# Altium PCB VCU_LAYOUT.PcbDoc (part 3 of 3)
Units mm, origin at the board's own origin, x right, y up, seen from the top; angles counter-clockwise.
Board outline 100 x 100 mm, 2 copper layers (Top Layer, Bottom Layer); 174 components, 112 nets, 647 pads, 397 vias.
Unrouted connection lines stored in the file: 9.
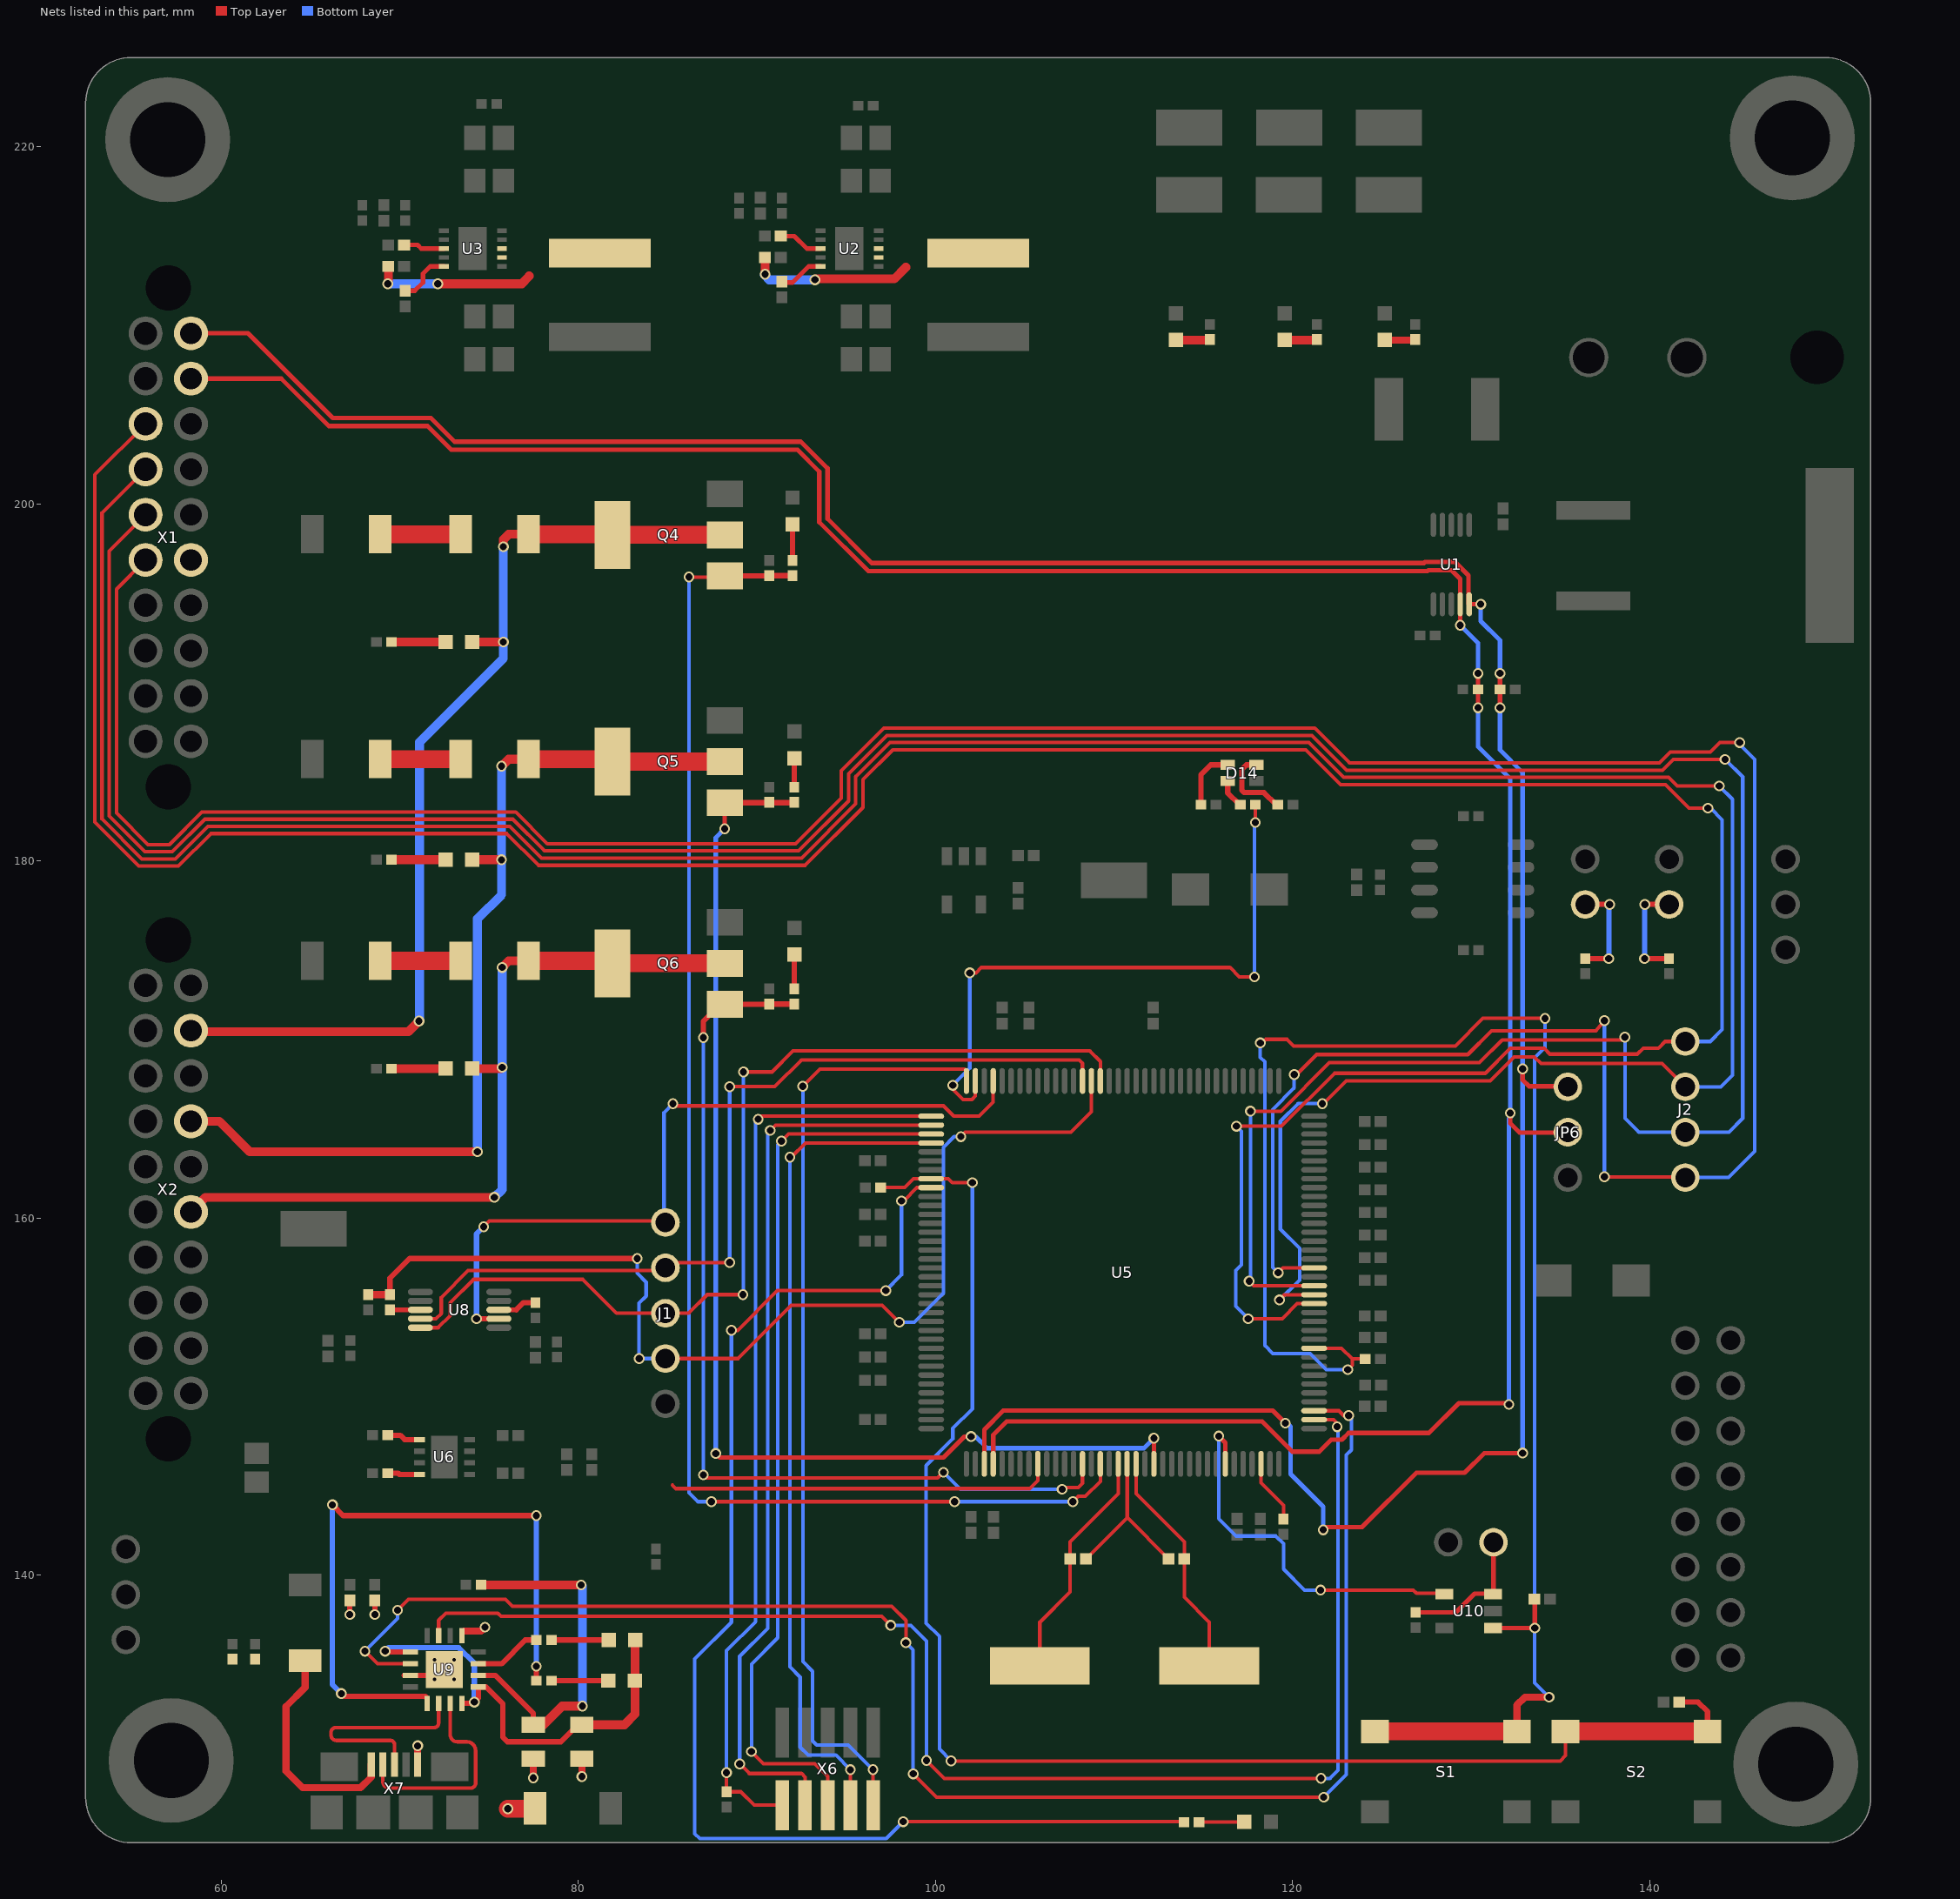
[diagram p3: the nets of this part, all layers, seen from the top]

## Via types
v1: diameter 0.6, hole 0.4, Top Layer to Bottom Layer, 372 vias
v2: diameter 1.2, hole 1, Top Layer to Bottom Layer, 21 vias
v3: diameter 0.5, hole 0.2, Top Layer to Bottom Layer, 4 vias

## Nets (pads, with @x,y where several pads share a name; then routed paths per layer and width w, separated by ;. In a path a pad name is that pad's centre, name@x,y a point inside that pad or via, vN(x,y) a via of type N, cw(c..) or ccw(c..) an arc to the next point about the centre after c; other vN are vias at no path point) (continued)
I2C_SCL: JP6.1 R6.1 U1.5 U5.3 X1.1 | length 172.4
  Top Layer w0.254: X1.1@58.3,209.555 61.495,209.555 66.238,204.812 71.74,204.812 73.07,203.482 92.464,203.482 93.957,201.989 93.957,199.164 96.439,196.682 127.373,196.682 127.429,196.738 129.108,196.738 129.857,195.989 129.857,194.418 U1.5@129.9,194.375 v1(130.55,194.375) ; U5.3@102.74,146.22 102.74,148.14 103.8,149.2 118.9,149.2 v1(119.6,148.5) ; v1(121.725,142.525) 121.875,142.675 123.9,142.675 126.95,145.725 129.65,145.725 130.75,146.825 v1(132.9,146.825) ; v1@131.6,188.4 131.625,188.425 v1(131.625,188.575) R6.1@131.625,189.6 v1(131.625,190.5) ; v1(132.9,168.35) 132.9,167.725 133.25,167.375 135.39,167.375 JP6.1@135.425,167.34
  Bottom Layer w0.254: v1@119.65,148.55 119.9,148.3 119.9,145.65 121.725,143.825 v1(121.725,142.525) ; v1(130.55,194.375) 130.55,193.425 131.625,192.35 v1(131.625,190.5) ; v1@131.625,188.425 131.625,186.215 132.9,184.94 v1(132.9,168.35) v1(132.9,146.825)
I2C_SDA: JP6.2 R7.1 U1.4 U5.4 X1.2 | length 161.9
  Top Layer w0.254: X1.2@58.3,207.015 63.36,207.015 66.02,204.355 71.551,204.355 72.881,203.025 92.275,203.025 93.5,201.8 93.5,198.975 96.25,196.225 127.562,196.225 127.618,196.281 128.919,196.281 129.4,195.8 U1.4@129.4,194.375 v1(129.4,193.2) ; U5.4@103.24,146.22 103.24,147.84 104,148.6 118.3,148.6 120,146.9 121.5,146.9 122.175,147.575 122.775,147.575 123.15,147.95 127.65,147.95 129.325,149.625 132.05,149.625 v1(132.125,149.55) ; v1@130.4,188.425 v1(130.4,188.575) R7.1@130.4,189.6 v1(130.4,190.5) ; v1(132.2,165.875) 132.2,165.3 132.725,164.775 135.4,164.775 JP6.2@135.425,164.8
  Bottom Layer w0.254: v1(129.4,193.2) 130.4,192.2 v1(130.4,190.5) ; v1(130.4,188.575) 130.4,186.4 132.2,184.6 v1(132.2,165.875) 132.175,165.85 132.3,165.725 132.125,165.55 132.15,165.525 132.125,165.5 v1(132.125,149.55)
ILIM: R22.2 U6.4 | length 1.8
  Top Layer w0.3: R22.2@69.325,145.7 69.9,145.7 69.975,145.625 U6.4@71.1,145.625
K1-: D5.2 Q4.2 Q4.4 X2.2 Z1.2 | length 56.3
  Top Layer w0.5: X2.2@58.3,170.49 58.365,170.425 70.475,170.425 v1(71.075,171.025) ; D5.2@74.06,192.26 v1(75.8,192.26) ; v1(75.8,197.6) 75.8,198 76.1,198.3 Z1.2@77.2,198.3
  Top Layer w1: Z1.2@77.2,198.3 81.87,198.3 Q4.4@81.91,198.26 Q4.2@88.21,198.26
  Bottom Layer w0.5: v1(71.075,171.025) 71.1,171.05 71.1,186.65 75.8,191.35 v1(75.8,192.26) v1(75.8,197.6)
K1_EN: Q4.1 R19.2 R27.2 U5.16 | length 81.8
  Top Layer w0.2: v1(86.2,195.9) 88.15,195.9 Q4.1@88.21,195.96 ; v1(87.45,144.1) 101.05,144.1 v1@101.075,144.075 ; v1(107.7,144.1) 108,144.4 108.4,144.4 109.24,145.24 U5.16@109.24,146.22
  Top Layer w0.3: Q4.1@88.21,195.96 90.685,195.96 R27.2@90.7,195.975 R19.2@92,195.975
  Bottom Layer w0.2: v1(86.2,195.9) 86.2,144.6 86.7,144.1 v1(87.45,144.1) ; v1(101.075,144.1) v1(107.7,144.1)
K2-: D7.2 Q5.2 Q5.4 X2.4 Z2.2 | length 53.3
  Top Layer w0.5: X2.4@58.3,165.41 59.89,165.41 61.6,163.7 v1(74.35,163.7) ; D7.2@74.06,180.06 v1(75.7,180.06) ; v1(75.7,185.3) 76.1,185.7 Z2.2@77.1,185.7
  Top Layer w1: Z2.2@77.1,185.7 Z2.2@77.2,185.7 81.77,185.7 Q5.4@81.91,185.56 Q5.2@88.21,185.56
  Bottom Layer w0.5: v1(74.35,163.7) 74.35,176.75 75.7,178.1 v1(75.7,180.06) v1(75.7,185.3)
K2_EN: Q5.1 R28.2 R39.2 U5.22 | length 67.6
  Top Layer w0.254: v1(87.7,146.8) 87.925,146.575 100.45,146.575 101.625,147.75 v1(102,147.75) ; v1(88.2,181.8) 88.2,183.25 Q5.1@88.21,183.26 ; U5.22@112.24,146.22 v1(112.24,147.66)
  Top Layer w0.3: Q5.1@88.21,183.26 R39.2@92.1,183.26
  Bottom Layer w0.254: v1(87.7,146.8) 87.7,181.3 v1(88.2,181.8) ; v1(102,147.75) 102.25,147.75 102.9,147.1 111.68,147.1 v1(112.24,147.66)
K3-: D9.2 Q6.2 Q6.4 X2.6 Z3.2 | length 44.8
  Top Layer w0.5: X2.6@58.3,160.33 59.12,161.15 v1(75.3,161.15) ; D9.2@74.06,168.36 75.66,168.36 v1(75.73,168.43) ; v1(75.73,174.03) 76.1,174.4 Z3.2@77.1,174.4
  Top Layer w1: Z3.2@77.1,174.4 Z3.2@77.2,174.4 81.77,174.4 Q6.4@81.91,174.26 Q6.2@88.21,174.26
  Bottom Layer w0.5: v1(75.3,161.15) 75.73,161.58 v1(75.73,168.43) v1(75.73,174.03)
K3_EN: Q6.1 R29.2 R43.2 U5.14 | length 54
  Top Layer w0.2: v1(87,145.6) 87,145.5 87.075,145.425 100.125,145.425 v1(100.45,145.75) ; v1(107.1,144.8) 107.2,144.9 108,144.9 108.24,145.14 U5.14@108.24,146.22
  Top Layer w0.3: v1(87,170.1) 87,171 87.96,171.96 Q6.1@88.21,171.96 90.985,171.96 91,171.975 R43.2@92.1,171.975
  Bottom Layer w0.2: v1(87,145.6) v1(87,170.1) ; v1(100.45,145.75) 101.4,144.8 v1(107.1,144.8)
KELVIN_GND: C39.2 C40.2 U5.19 | length 9.1
  Top Layer w0.2: C39.2@108.44,140.9 110.75,143.21 ; U5.19@110.75,145.775 110.75,143.21 ; C40.2@113.06,140.9 110.75,143.21
LED_K1: D5.1 R24.1 | length 3
  Top Layer w0.5: R24.1@69.535,192.26 D5.1@72.56,192.26
LED_K2: D7.1 R25.1 | length 3
  Top Layer w0.5: R25.1@69.535,180.06 D7.1@72.56,180.06
LED_K3: D9.1 R26.1 | length 3
  Top Layer w0.5: R26.1@69.535,168.36 D9.1@72.56,168.36
MD_EN: R9.2 R18.1 U5.9 X1.6 | length 21.7
  Top Layer w0.2: 85.275,145.025 85.47,144.83 105.279,144.83 105.74,145.291 U5.9@105.74,146.22
MIBSPI1_CLK: J1.2 U5.95 U8.9 | length 50.5
  Top Layer w0.2: U8.9@71.15,154.35 72.025,154.35 72.325,154.65 72.325,155.55 73.825,157.05 84.73,157.05 J1.2@84.88,157.2 85.18,157.5 v1(88.475,157.5) ; v1(88.475,167.35) 91,167.35 92.5,168.85 108.05,168.85 108.24,168.66 U5.95@108.24,167.67
  Bottom Layer w0.2: v1(88.475,157.5) v1(88.475,167.35)
MIBSPI1_MISO: J1.4 R49.1 R50.2 U5.94 | length 60.9
  Top Layer w0.2: J1.4@84.88,152.12 88.945,152.12 91.925,155.1 97.025,155.1 v1(97.975,154.15) ; v1@101.35,164.475 101.675,164.8 107.6,164.8 108.74,165.94 U5.94@108.74,167.67
  Top Layer w0.3: R49.1@69.45,155.7 69.45,156.625 70.55,157.725 v1(83.3,157.725)
  Top Layer w0.4: R50.2@68.225,155.7 R49.1@69.45,155.7
  Bottom Layer w0.2: v1(83.3,157.725) 83.3,156.9 83.8,156.4 83.8,155.625 83.405,155.23 v1(83.405,152.12) J1.4@84.88,152.12 ; v1(97.975,154.15) 98.825,154.15 100.45,155.775 100.45,163.95 101.05,164.55 v1(101.425,164.55)
MIBSPI1_MOSI: J1.3 U5.93 U8.10 | length 55.3
  Top Layer w0.2: U8.10@71.15,153.85 72.15,153.85 72.825,154.525 72.825,155.25 74.125,156.55 80.25,156.55 82.14,154.66 J1.3@84.88,154.66 86.185,154.66 87.225,155.7 v1(89.225,155.7) ; v1(89.25,168.175) 90.85,168.175 92.025,169.35 108.65,169.35 109.24,168.76 U5.93@109.24,167.67
  Bottom Layer w0.2: v1@89.25,155.5 v1(89.25,168.175)
MIBSPI1_NCS_0: J1.1 U5.105 U8.2 | length 43.3
  Top Layer w0.2: v1(74.7,159.5) 75.02,159.82 J1.1@84.8,159.82 ; v1@85.3,166.425 85.45,166.275 100.45,166.275 101.025,165.7 102.45,165.7 103.24,166.49 U5.105@103.24,167.67
  Top Layer w0.3: v1(74.3,154.35) U8.2@75.55,154.35
  Bottom Layer w0.2: J1.1@84.8,159.82 84.8,165.9 v1(85.3,166.4)
  Bottom Layer w0.3: v1(74.3,154.35) 74.3,159.1 v1(74.7,159.5)
MIBSPI3_CLK: J2.2 U5.53 X1.15 | length 183.7
  Top Layer w0.2: X1.15@55.76,199.395 53.722,197.357 53.722,182.508 55.718,180.512 57.262,180.512 59.081,182.331 76.324,182.331 78.099,180.556 92.336,180.556 95.134,183.354 95.134,184.884 97.281,187.031 121.084,187.031 123.034,185.081 140.731,185.081 141.334,185.684 v1(144.232,185.684) ; v1(117.575,156.45) 117.83,156.195 U5.53@121.215,156.195 ; v1(117.65,165.975) 119.35,165.975 122.075,168.7 130.475,168.7 131.75,169.975 138.475,169.975 v1(138.625,170.125)
  Bottom Layer w0.2: v1(117.575,156.45) 117.65,156.375 v1(117.65,165.975) ; v1(138.625,170.125) 138.625,165.578 139.403,164.8 J2.2@142.01,164.8 144.45,164.8 145.225,165.575 145.225,184.7 144.241,185.684 v1(144.232,185.684)
MIBSPI3_MISO: J2.4 U5.51 X1.13 | length 179.3
  Top Layer w0.2: X1.13@55.76,204.475 52.916,201.631 52.916,182.174 55.384,179.706 57.596,179.706 59.415,181.525 75.99,181.525 77.765,179.75 92.7,179.75 95.94,182.99 95.94,184.55 97.615,186.225 120.75,186.225 122.7,184.275 140.9,184.275 142.225,182.95 v1(143.275,182.95) ; v1(116.865,165.135) 119.385,165.135 122.35,168.1 130.8,168.1 132.2,169.5 134.1,169.5 134.425,169.175 139.325,169.175 139.65,169.5 140.5,169.5 140.88,169.88 J2.4@142.01,169.88 ; v1(117.525,154.35) 119.425,154.35 120.27,155.195 U5.51@121.215,155.195
  Bottom Layer w0.2: v1@116.789,165.135 v1(116.865,165.135) 117.15,164.85 117.15,157.375 116.825,157.05 116.825,155.05 v1(117.525,154.35) ; J2.4@142.01,169.88 143.405,169.88 144.075,170.55 144.075,182.3 143.425,182.95 v1(143.275,182.95)
MIBSPI3_MOSI: J2.3 U5.52 X1.14 | length 175.5
  Top Layer w0.2: X1.14@55.76,201.935 53.319,199.494 53.319,182.341 55.551,180.109 57.429,180.109 59.248,181.928 76.157,181.928 77.932,180.153 92.503,180.153 95.537,183.187 95.537,184.717 97.448,186.628 120.917,186.628 122.867,184.678 141.067,184.678 141.551,184.194 v1(143.907,184.194) ; v1(119.275,155.4) 119.275,155.425 119.545,155.695 U5.52@121.215,155.695 ; v1(121.675,166.4) 121.75,166.4 123.025,167.675 131.075,167.675 132.425,169.025 133.55,169.025 133.925,168.65 140.7,168.65 J2.3@142.01,167.34
  Bottom Layer w0.2: v1(119.275,155.4) 120.4,156.525 120.4,158.3 119.325,159.375 119.325,165.4 120.325,166.4 v1(121.675,166.4) ; J2.3@142.01,167.34 143.998,167.34 144.65,167.992 144.65,183.451 v1(143.907,184.194)
MIBSPI3_NCS_0: J2.1 U5.55 X1.16 | length 186.4
  Top Layer w0.2: X1.16@55.76,196.855 54.125,195.22 54.125,182.675 55.885,180.915 57.095,180.915 58.914,182.734 76.491,182.734 78.266,180.959 92.169,180.959 94.731,183.521 94.731,185.051 97.114,187.434 121.251,187.434 123.201,185.484 140.564,185.484 141.167,186.087 143.402,186.087 143.94,186.625 v1(145.05,186.625) ; v1(119.2,156.925) 119.47,157.195 U5.55@121.215,157.195 ; v1(120.1,168.025) 120.225,168.025 121.35,169.15 129.825,169.15 131.15,170.475 137,170.475 v1(137.475,171.05) ; v1(137.475,162.3) 141.97,162.3 J2.1@142.01,162.26
  Bottom Layer w0.2: v1(119.2,156.925) 118.9,157.225 118.9,166.075 120.1,167.275 v1(120.1,168.025) ; v1(137.475,162.3) v1(137.475,171.05) ; J2.1@142.01,162.26 144.435,162.26 145.9,163.725 145.9,185.675 145.05,186.525 v1(145.05,186.625)
nERROR: R23.1 U5.117 | length 73.9
  Top Layer w0.2: v1(88.575,153.7) 88.925,153.7 91.15,155.925 v1(97.225,155.925) ; v1(98.1,160.95) 98.225,160.95 98.97,161.695 U5.117@99.765,161.695 ; v1(98.2,126.175) 113.9,126.175 R23.1@113.925,126.15
  Bottom Layer w0.2: v1(88.575,153.7) 88.575,137.35 86.525,135.3 86.525,125.5 86.8,125.225 97.25,125.225 v1(98.2,126.175) ; v1(97.225,155.925) 98.1,156.8 v1(98.1,160.95)
NetD1_1: D1.1 R1.1 | length 1.7
  Top Layer w0.4: D1.1@125.175,209.175 126.85,209.175 R1.1@126.875,209.2
NetD2_1: D2.1 R2.1 | length 1.8
  Top Layer w0.5: D2.1@119.575,209.175 121.35,209.175 R2.1@121.375,209.2
NetD3_1: D3.1 R3.1 | length 1.9
  Top Layer w0.4: R3.1@115.35,209.175 R3.1@115.375,209.2
  Top Layer w0.5: D3.1@113.475,209.175 R3.1@115.35,209.175
NetD4_2: D4.2 R23.2 | length 2.5
  Top Layer w0.2: R23.2@114.775,126.15 117.275,126.15 D4.2@117.3,126.175
NetD6_1: D6.1 Z1.1 | length 4.5
  Top Layer w1: D6.1@68.9,198.3 Z1.1@73.4,198.3
NetD8_1: D8.1 Z2.1 | length 4.4
  Top Layer w1: D8.1@68.9,185.7 Z2.1@73.3,185.7
NetD10_1: D10.1 Z3.1 | length 3.8
  Top Layer w1: D10.1@69.5,174.4 Z3.1@73.3,174.4
NetD11_1: D11.1 R19.1 | length 2
  Top Layer w0.3: R19.1@92,196.825 D11.1@92,198.85
NetD12_1: D12.1 R39.1 | length 1.7
  Top Layer w0.3: R39.1@92.1,184.125 92.1,185.7 D12.1@92.2,185.8
NetD14_1: D14.1 R30.1 | length 1.6
  Top Layer w0.3: D14.1@116.375,184.475 116.375,183.8 117.025,183.15 R30.1@117.075,183.15
NetD14_2: D14.2 R40.1 | length 3.4
  Top Layer w0.3: R40.1@114.875,183.15 114.875,184.825 115.425,185.375 D14.2@116.375,185.375
NetD14_3: D14.3 R41.1 | length 4.4
  Top Layer w0.3: D14.3@117.975,185.375 117.425,185.375 117.175,185.125 117.175,183.95 117.3,183.825 118.4,183.825 119.075,183.15 R41.1@119.175,183.15
NetD16_1: D16.1 R43.1 | length 1.9
  Top Layer w0.3: R43.1@92.1,172.825 D16.1@92.1,174.75
NetD18_2: D18.2 R45.2 | length 3.2
  Top Layer w0.3: R45.2@78.5,136.35 D18.2@81.7,136.35
NetD19_2: D19.2 R46.2 | length 3.2
  Top Layer w0.3: R46.2@78.5,134.075 D19.2@81.675,134.075
NetJP1_1: JP1.1 R12.2 | length 5.7
  Top Layer w0.3: R12.2@136.4,174.525 v1(137.725,174.525) ; JP1.1@136.4,177.56 v1(137.765,177.56)
  Bottom Layer w0.2: v1@137.725,177.52 v1(137.765,177.56)
  Bottom Layer w0.3: v1(137.725,174.525) v1@137.725,177.52
NetJP2_1: JP2.1 R13.2 | length 5.8
  Top Layer w0.3: v1(139.725,174.525) R13.2@141.1,174.525 ; v1(139.74,177.56) JP2.1@141.1,177.56
  Bottom Layer w0.2: v1@139.725,177.545 v1(139.74,177.56)
  Bottom Layer w0.3: v1(139.725,174.525) v1@139.725,177.545
NetJP4_1: JP4.1 R51.1 U10.3 | length 7.7
  Top Layer w0.254: R51.1@126.9,137.9 129.15,137.9 130.2,138.95 131.225,138.95 U10.3@131.25,138.925 ; JP4.1@131.265,141.825 131.265,138.985 U10.3@131.325,138.925
NetR15_1: R15.1 U5.34 | length 3.6
  Top Layer w0.2: U5.34@118.24,146.22 118.24,145.16 119.5,143.9 R15.1@119.5,143.125
NetR48_1: R48.1 U8.3 | length 2.2
  Top Layer w0.254: U8.3@75.55,154.85 76.525,154.85
  Top Layer w0.3: 76.525,154.85 76.925,155.25 R48.1@77.6,155.25
NetR49_2: R49.2 U8.8 | length 1.7
  Top Layer w0.254: R49.2@69.45,154.85 U8.8@71.15,154.85
nPORRST: C26.2 R16.1 S1.2 U5.46 U10.1 | length 96.8
  Top Layer w0.2: v1(118.2,169.8) 118.3,169.8 118.5,170 119.7,170 120.075,169.625 129.125,169.625 130.675,171.175 v1(134.15,171.175) ; U5.46@121.215,152.695 122.755,152.695 123.35,152.1 ; v1(123.1,151.5) 123.35,151.75 123.35,152.1 ; R16.1@124.075,152.1 123.35,152.1
  Top Layer w0.254: U10.1@131.325,137.025 133.525,137.025 v1@133.575,136.975 ; C26.2@133.56,138.65 133.575,138.635 v1(133.575,137.025)
  Top Layer w0.4: S1.2@132.575,131.225 132.575,132.7 133.025,133.15 v1(134.375,133.15)
  Top Layer w1: S1.2@124.625,131.225 S1.2@132.575,131.225
  Bottom Layer w0.2: v1(118.2,169.8) 118.2,169 118.45,168.75 118.45,152.85 118.9,152.4 121,152.4 121.9,151.5 v1(123.1,151.5) ; 133.575,139.225 v1(133.575,137.025) 133.575,133.95 v1(134.375,133.15) ; 133.575,139.275 133.575,168.975 134.15,169.55 v1(134.15,171.175)
nRST: C30.2 R17.1 S2.2 U5.116 | length 86.3
  Top Layer w0.2: R17.1@96.925,161.7 98.275,161.7 98.77,162.195 U5.116@99.765,162.195 100.73,162.195 100.95,161.975 v1(102.075,161.975) ; v1(100.875,129.575) 135,129.575 135.3,129.875 S2.2@135.3,131.225
  Top Layer w0.3: C30.2@141.665,132.875 142.725,132.875 143.25,132.35 S2.2@143.25,131.225
  Top Layer w1: S2.2@135.3,131.225 S2.2@143.25,131.225
  Bottom Layer w0.2: v1@100.875,129.6 100.225,130.25 100.225,136.55 99.475,137.3 99.475,146.125 100.975,147.625 100.975,148.2 102.075,149.3 v1(102.075,161.975)
nTRST: R8.2 U5.109 X6.10 | length 51.6
  Top Layer w0.2: v1(88.3,128.925) R8.2@88.3,127.85 89.1,127.85 89.85,127.1 X6.10@91.43,127.1 ; v1(90.075,165.525) 90.245,165.695 U5.109@99.765,165.695
  Bottom Layer w0.2: v1(88.3,128.925) 88.3,135.75 89.925,137.375 89.925,165.375 v1(90.075,165.525)
OSCIN: C39.1 U5.18 XTAL1.1 | length 12.7
  Top Layer w0.2: XTAL1.1@105.85,134.9 105.85,137.35 107.55,139.05 107.55,141.85 110.25,144.55 U5.18@110.25,145.775
OSCOUT: C40.1 U5.20 XTAL1.2 | length 12.6
  Top Layer w0.2: U5.20@111.25,145.775 111.25,144.55 113.95,141.85 113.95,138.75 115.35,137.35 XTAL1.2@115.35,134.9
RED_LED: R30.2 U5.107 | length 35.6
  Top Layer w0.2: v1(100.975,167.425) 100.8,167.425 100.775,167.4 101.55,166.625 102.05,166.625 102.24,166.815 U5.107@102.24,167.67 ; v1(101.925,173.725) 102.275,173.725 102.575,174.025 116.5,174.025 117.025,173.5 v1(117.875,173.5) ; v1(117.925,182.15) R30.2@117.925,183.15
  Bottom Layer w0.2: v1(100.975,167.425) 101.925,168.375 v1(101.925,173.725) ; v1(117.875,173.5) 117.875,182.1 v1(117.925,182.15)
RX_LED_N: R45.1 U9.11 | length 3.8
  Top Layer w0.3: U9.11@74.4,135.025 75.7,135.025 77.025,136.35 R45.1@77.65,136.35
SCI_RX: U5.38 U9.15 | length 79.8
  Top Layer w0.2: U9.15@72.175,136.95 72.175,137.45 72.575,137.85 75.49,137.85 75.665,137.675 97,137.675 v1(97.5,137.175) ; v1(99.5,129.6) 100.5,128.6 v1(121.6,128.6) ; U5.38@121.215,148.695 122.305,148.695 122.5,148.5 v1(122.5,148.3)
  Bottom Layer w0.2: v1(97.5,137.175) 98.625,137.175 99.5,136.3 v1(99.5,129.6) ; v1(121.6,128.6) 122.1,128.6 122.55,129.05 122.55,148.25 v1(122.5,148.3)
SCI_TX: U5.39 U9.2 | length 91.2
  Top Layer w0.2: v1(68.05,135.725) 68.75,135.025 U9.2@70.25,135.025 ; v1(69.875,138.025) 70.475,138.625 75.925,138.625 76.3,138.25 97.55,138.25 98.35,137.45 v1(98.35,136.2) ; v1(98.755,128.855) 100.064,127.546 v1(121.754,127.546) ; U5.39@121.215,149.195 122.605,149.195 122.875,148.925 v1(123.15,148.925)
  Bottom Layer w0.2: v1(68.05,135.725) 69.875,137.55 v1(69.875,138.025) ; v1(98.35,136.2) 98.755,135.795 v1(98.755,128.855) ; v1(121.754,127.546) 123.025,128.818 123.025,146.725 123.3,147 123.3,148.775 v1(123.15,148.925)
SS_3V3: C49.2 U2.5 | length 2.6
  Top Layer w0.254: C49.2@91.4,212.44 91.44,212.4 92,212.4 92.9,213.3 U2.5@93.575,213.3
SS_5V: C57.2 U3.5 | length 3
  Top Layer w0.254: C57.2@70.3,211.94 70.84,211.94 71.3,212.4 71.3,212.9 71.7,213.3 U3.5@72.475,213.3
STATUS: R21.2 U6.1 | length 1.9
  Top Layer w0.3: R21.2@69.325,147.825 70.025,147.825 70.275,147.575 U6.1@71.1,147.575
SW_3V3: C45.1 L1.1 U2.7 U2.8 | length 9.3
  Top Layer w0.5: v1(90.46,212.86) C45.1@90.46,213.8 ; v1(93.25,212.55) 93.3,212.6 97.7,212.6 98.35,213.25
  Bottom Layer w0.5: v1@90.425,212.825 90.7,212.55 v1(93.25,212.55)
SW_5V: C53.1 L2.1 U3.7 U3.8 | length 9.1
  Top Layer w0.5: v1(69.325,212.325) 69.36,212.36 C53.1@69.36,213.3 ; v1(72.125,212.325) 76.825,212.325 77.25,212.75 77.25,212.775
  Bottom Layer w0.5: v1(69.325,212.325) v1(72.125,212.325)
TCK: U5.112 X6.4 | length 46.9
  Top Layer w0.2: v1(91.85,163.4) 91.925,163.4 92.72,164.195 U5.112@99.765,164.195 ; X6.4@95.24,127.1 v1(95.24,129.085)
  Bottom Layer w0.2: v1(91.85,163.4) 91.85,134.85 92.425,134.275 92.425,130.35 92.875,129.9 94.425,129.9 v1(95.24,129.085)
TDI: U5.110 X6.8 | length 50.9
  Top Layer w0.2: v1(89.038,129.412) 89.575,128.875 92.5,128.875 92.7,128.675 X6.8@92.7,127.1 ; v1(90.75,164.9) 91.045,165.195 U5.110@99.765,165.195
  Bottom Layer w0.2: v1(89.038,129.412) 89.038,135.437 90.6,137 90.6,164.75 v1(90.75,164.9)
TDO: U5.111 X6.6 | length 49.9
  Top Layer w0.2: v1@89.713,130.087 90.375,129.425 93.25,129.425 93.97,128.705 X6.6@93.97,127.1 ; v1(91.375,164.3) 91.77,164.695 U5.111@99.765,164.695
  Bottom Layer w0.2: v1(89.7,130.1) 89.7,135 91.175,136.475 91.175,164.1 v1(91.375,164.3)
TMS: U5.108 X6.2 | length 53.1
  Top Layer w0.2: v1(92.575,167.375) 93.525,168.325 101.625,168.325 101.74,168.21 U5.108@101.74,167.67 ; X6.2@96.51,127.1 v1(96.51,129.09)
  Bottom Layer w0.2: v1(92.575,167.375) 92.575,135.15 93.125,134.6 93.125,130.7 93.35,130.475 95.125,130.475 v1(96.51,129.09)
TX_LED_N: R46.1 U9.5 | length 36.9
  Top Layer w0.3: v1(66.225,143.925) 66.825,143.325 v1(77.65,143.325) ; v1(66.725,133.35) 66.875,133.2 71.425,133.2 71.525,133.1 U9.5@71.525,132.8 ; R46.1@77.65,134.075 v1(77.65,134.875)
  Bottom Layer w0.3: v1(66.225,143.925) 66.225,133.85 v1(66.725,133.35) ; v1(77.65,134.875) 77.625,134.9 77.65,134.925 v1(77.65,143.325)
USBD_N: U9.7 X7.2 | length 12
  Top Layer w0.2: X7.2@69.05,129.375 69.05,128.425 ccw(c69.425,128.425) 69.425,128.05 73.95,128.05 ccw(c73.95,128.35) 74.25,128.35 74.25,130.15 ccw(c73.75,130.15) 73.75,130.65 73.225,130.65 cw(c73.225,131.05) 72.825,131.05 U9.7@72.825,132.8
USBD_P: U9.6 X7.3 | length 12.5
  Top Layer w0.2: X7.3@69.7,129.375 69.7,130.5 ccw(c69.475,130.5) 69.475,130.725 66.45,130.725 cw(c66.45,131.025) 66.15,131.025 66.15,131.175 cw(c66.425,131.175) 66.425,131.45 71.925,131.45 ccw(c71.925,131.7) 72.175,131.7 U9.6@72.175,132.8
USBVDD: FB1.1 X7.1 | length 12.8
  Top Layer w0.4: FB1.1@64.7,135.2 64.7,133.7 63.625,132.625 63.625,129 64.55,128.075 67.8,128.075 68.4,128.675 X7.1@68.4,129.375
USBVSS: C18.1 C27.2 C60.1 C61.1 FB2.1 U9.3 U9.13 U9.17 X7.5 | length 9.9
  Top Layer w0.3: v1(67.2,137.775) C18.1@67.2,138.56 ; v1(68.6,137.775) C27.2@68.6,138.56 ; U9.3@70.25,134.375 U9.3@70.6,134.375 72.175,134.375 U9.17@72.5,134.7
  Top Layer w0.4: X7.5@71,129.375 v1(71,130.425) ; U9.13@73.6,136.85 74.55,136.85 v1(74.775,137.075) ; v1(77.475,128.625) C60.1@77.475,129.7 ; v1(80.2,128.7) C61.1@80.2,129.7
  Top Layer w1: v1(76.05,126.9) FB2.1@77.58,126.9
  other v3: 71.95,134.15 73.05,134.15 71.95,135.25 73.05,135.25
VCC_5V: C60.2 R20.2 U9.10 | length 20.2
  Top Layer w0.3: U9.10@74.4,134.375 75.35,134.375 77.475,132.25 C60.2@77.475,131.6
  Top Layer w0.5: R20.2@74.55,139.45 74.56,139.44 v1(80.16,139.44) ; C60.2@77.475,131.6 78.05,131.6 79.1,132.65 v1(80.225,132.65)
  Bottom Layer w0.5: v1(80.16,139.44) 80.225,139.375 v1(80.225,132.65)
VCCIO: C61.2 D18.1 D19.1 U9.1 U9.8 U9.9 | length 26.2
  Top Layer w0.3: v1@69.175,135.675 U9.1@70.35,135.675 ; U9.8@73.475,132.8 74.1,132.8 v1(74.175,132.875) 74.4,133.1 U9.9@74.4,133.725 74.825,133.725 75.775,132.775 75.775,130.9 76.025,130.65 79.025,130.65 C61.2@79.975,131.6
  Top Layer w0.5: C61.2@80.2,131.6 82.575,131.6 83.175,132.2 D19.1@83.175,134.075 83.175,136.325 D18.1@83.2,136.35
  Bottom Layer w0.3: v1(69.175,135.725) 69.375,135.925 73.3,135.925 74.175,135.05 v1(74.175,132.875)
VREG_3V3: C48.2 U2.3 | length 2.5
  Top Layer w0.254: C48.2@91.34,215 92.1,215 92.8,214.3 U2.3@93.575,214.3
VREG_5V: C56.2 U3.3 | length 2.3
  Top Layer w0.254: C56.2@70.24,214.5 71,214.5 71.2,214.3 U3.3@72.475,214.3
WATCHDOG: U5.30 U10.4 | length 21.5
  Top Layer w0.2: v1(121.575,139.15) 126.775,139.15 126.95,138.975 128.45,138.975 U10.4@128.5,138.925
  Top Layer w0.254: v1(115.875,147.775) 116.24,147.41 U5.30@116.24,146.22
  Bottom Layer w0.2: v1(115.875,147.775) 115.875,143.15 116.85,142.175 119.075,142.175 119.5,141.75 119.5,140.325 120.675,139.15 v1(121.575,139.15)
pads on no net: U4.4 U5.1 U5.2 U5.5 U5.6 U5.7 U5.8 U5.12 U5.13 U5.15 U5.23 U5.24 U5.25 U5.32 U5.40 U5.41 U5.54 U5.58 U5.59 U5.70 U5.71 U5.72 U5.73 U5.74 U5.75 U5.76 U5.77 U5.78 U5.79 U5.80 U5.81 U5.82 U5.83 U5.84 U5.85 U5.86 U5.91 U5.96 U5.97 U5.98 U5.99 U5.100 U5.113 U5.118 U5.119 U5.124 U5.125 U5.126 U5.127 U5.128 U5.129 U5.130 U5.133 U5.139 U5.140 U5.142 U6.2 U7.5 U7.8 U8.5 U9.4 U9.12 U9.14 U9.16 X1. X2. X5. X7. X7.4

## Polygon pours and split planes (outlines as drawn)
GND on Bottom Layer "GND" (solid, remove dead copper, pour order 24): 127.15,149.7 126.95,149.5 125.85,149.5 125.625,149.725 125.625,152.625 125.625,165.95 125.637,165.962 125.637,173.437 125.85,173.65 126.925,173.65 127.125,173.45 127.15,165.925
USBVSS on Bottom Layer "USBVSS" (solid, pour order 0): 80.959,125.959 82.1,127.1 82.1,140.225 80.766,141.559 63.293,141.559 62.195,140.461 62.205,126.895 63.141,125.959
GND on Bottom Layer "GND" (solid, pour order 2): 52.475,127.565 ccw(c55.045,127.62) 55.1,125.049 150.21,125.049 ccw(c149.428,127.916) 152.4,127.916 152.4,222.46 ccw(c149.86,222.46) 149.86,225 55.236,225 ccw(c55.236,222.155) 52.475,222.841
+5V on Top Layer "+5V" (solid, remove dead copper, pour order 34): 96.075,222.55 96.075,215.875 96.3,215.65 96.3,214.825 96.5,214.625 97.1,214.625 97.325,214.85 99.125,216.65 107.475,216.65 108.6,217.775 108.6,221.55 107.475,222.55
GND on Top Layer "GND" (solid, remove dead copper, pour order 32): 93.7,211.9 93.125,211.325 93.125,206.975 93.85,206.25 95.625,206.25 96.1,206.725 96.1,211.65 95.85,211.9 95,211.9
GND on Top Layer "GND" (solid, remove dead copper, pour order 30): 72.6,211.9 72.025,211.325 72.025,206.975 72.75,206.25 74.525,206.25 75,206.725 75,211.65 74.75,211.9 73.9,211.9
GND on Top Layer "GND" (solid, remove dead copper, pour order 28): 95.825,221.5 94.325,221.5 94.15,221.675 93.2,221.675 92.975,221.45 92.975,218.3 93.15,218.125 93.15,217.05 93.95,216.25 95.475,216.25 95.9,216.675 95.9,221.4 95.825,221.475
GND on Top Layer "GND" (solid, remove dead copper, pour order 26): 74.725,221.5 73.225,221.5 73.05,221.675 72.1,221.675 71.875,221.45 71.875,218.3 72.05,218.125 72.05,217.05 72.85,216.25 74.375,216.25 74.8,216.675 74.8,221.4 74.725,221.475
+3V3 on Top Layer "+3V3" (solid, remove dead copper, pour order 22): 97.975,205.225 105.7,205.225 106.3,205.825 106.3,211.1 105.7,211.7 96.8,211.7 96.2,211.1 96.2,207
+5V_BAT on Top Layer "+5V_BAT" (solid, remove dead copper, pour order 20): 75.6,211.7 75,211.1 75,207 75.2,206.8 84.6,206.8 85.1,207.3 85.1,211.2 84.6,211.7
+12V on Top Layer "+12V" (solid, remove dead copper, pour order 16): 75.3,215.6 75.3,214.7 75.4,214.6 76.1,214.6 77.9,216.4 77.9,222 76.8,223.1 75.2,223.1 75,222.9 75,215.8 75.2,215.6
SW_3V3 on Top Layer "SW_3V3" (solid, remove dead copper, pour order 14): 97.307,214.5 97.507,214.701 97.707,214.9 98.407,215.6 105.7,215.6 106.3,215 106.3,213.1 105.7,212.5 98.4,212.5 97.4,213.5 96.6,213.5 96.5,213.6 96.5,214.4 96.6,214.5
SW_5V on Top Layer "SW_5V" (solid, remove dead copper, pour order 12): 76,214.5 76.201,214.701 76.307,214.701 76.507,214.9 77.207,215.6 84.6,215.6 85.1,215.1 85.1,213 84.6,212.5 77.2,212.5 76.2,213.5 75.4,213.5 75.3,213.6 75.3,214.4 75.4,214.5
GND on Top Layer "GND" (solid, pour order 10): 112.673,224.727 111.373,223.427 111.373,219.627 111.673,219.327 127.973,219.327 128.373,219.727 128.373,223.327 126.973,224.727
GND on Top Layer "GND" (solid, pour order 8): 133.9,197.5 133.9,191.8 141.675,191.8 142.575,192.7 142.575,196.575 141.65,197.5

## Other copper
Bottom Layer:
  pour cut-out: 86.775,135.075 86.675,134.975 84.8,134.975 84.8,125.625 85.35,125.075 86.5,125.075 86.5,128.25 86.8,128.55 86.875,128.475 86.925,128.525 88.225,128.525 88.225,134.15 89.86,135.765 ccw(c89.825,135.8) 89.875,135.8 89.875,154.4 ccw(c89.85,154.4) 89.85,154.425 88.55,154.425 ccw(c88.55,154.3) 88.425,154.3 88.425,136.8 cw(c86.368,136.364) 88.435,136.752 86.775,135.092
  pour cut-out: 78.325,194.325 78.4,194.25 80.775,194.25 80.775,148.75 80.1,148.075 78.75,149.425 78.4,149.425 78.4,194.15 78.575,194.325
  pour cut-out: 95.4,157.075 95.4,157.125 96.525,158.25 96.275,158.5 96.275,165.925 95.325,165.925 95.175,165.775
  pour cut-out: 52.7,160.875 52.85,160.875 56.225,157.5 56.075,157.35 56.075,155.125 55.475,155.125 53.575,153.225 53.575,139.2 52.425,139.2 52.375,139.15 51.9,139.625 51.9,160.8
  pour cut-out: 115.925,148.075 115.975,148.025 124.55,148.025 124.55,140 123.425,138.875 123.25,139.05 120.475,139.05 119.139,140.386 119.139,141.6 118.665,142.075 116.475,142.075 116.475,142.078 115.542,143.012
  pour cut-out: 103.625,140.862 105.35,142.587 105.35,145.638 107.638,145.638 109.838,147.838 110.938,147.838 114.838,143.938 114.838,140.238 115.438,139.638 115.438,139.538 117.938,139.538 119.738,137.738 119.738,132.638 118.938,131.838 101.538,131.838 100.938,132.437 100.938,138.138 103.663,140.862
  pour cut-out: 61.325,154.125 58.775,151.575 58.15,151.575 58.15,150.1 58.075,150.025 59.392,148.708 59.392,148.481 61.469,148.481 61.525,148.425 62.161,149.061 62.161,154.134

## Silkscreen, mask and mechanical layers (free items; w line width, h text height)
Top Overlay:
  drawing of 56 lines, arcs and shapes, not listed
  text "GND" at 106.85,220.275 h1.52
  text "z" at 129.35,219.725 h3
  text "3V3" at 112.075,214.075 h1.52
  text "5V" at 118.675,213.975 h1.52
  text "12V" at 123.675,213.975 h1.52
  text "I2C" at 133.725,190.775 h1
  text "3V3 PULLUPS" at 134.225,189.175 h0.7
  text "VEHICLE CONTROL UNIT /         REV3" at 96.95,188.825 h1.3
  text "STATUS" at 108.475,184.35 h1
  text "120 / OHM" at 135.2,181.9 h1
  text "60 / OHM" at 139.8,181.9 h1
  text "1V2" at 108.55,175.5 h1
  text "MIBSPI3" at 137.625,171.6 h1
  text "CAN" at 143.7,169.525 h1
  text "MISO" at 137.075,169.4 h1
  text "I2C" at 132.45,169.25 h1
  text "GND" at 147.35,167 h1
  text "SCL" at 130.75,166.84 h1
  text "MOSI" at 137.1,166.85 h1
  text "CAN_H" at 147.35,164.425 h1
  text "SDA" at 130.75,164.3 h1
  text "SCK" at 137.325,164.31 h1
  text "MIBSPI1" at 82.4,161.8 h1
  text "GND" at 130.75,161.76 h1
  text "CS" at 137.875,161.775 h1
  text "CAN_L" at 147.35,161.775 h1
  text "THROTTLE" at 61.525,161.225 h1
  text "CS" at 86.6,159.24 h1
  text "CLK" at 86.6,156.7 h1
  text "MOSI" at 86.6,154.16 h1
  text "+5V" at 137.225,152.64 h1
  text "+5V" at 146.55,152.625 h1
  text "MISO" at 86.6,151.62 h1
  text "+3V3" at 136.225,150.1 h1
  text "+3V3" at 146.55,150.1 h1
  text "GND" at 86.6,149.1 h1
  text "HET1_9" at 134.393,147.7 h1
  text "HET1_4" at 146.55,147.643 h1
  text "HET1_25" at 133.393,145.103 h1
  text "HET1_7" at 146.55,145.103 h1
  text "WATCHDOG / ENABLE" at 124.325,144 h1
  text "HET1_5" at 134.393,142.6 h1
  text "GABE" at 146.55,142.48 h1
  text "RX" at 56.35,140.975 h1
  text "BMS / UART" at 60.05,140.575 h1
  text "GND" at 137.775,140.05 h1
  text "SOARES" at 146.55,139.94 h1
  text "TX" at 56.35,138.4 h1
  text "GND" at 137.775,137.4 h1
  text "GND" at 146.55,137.375 h1
  text "TX" at 84.575,135.85 h1
  text "GND" at 56.35,135.75 h1
  text "GND" at 137.775,134.86 h1
  text "GND" at 146.575,134.85 h1
  text "RX" at 84.575,133.575 h1
  text "JTAG" at 91.9,133.4 h1
  text "SOFT / RESET" at 132.9,132.675 h1
  text "HARD / RESET" at 124.2,132.65 h1
  text "ERROR" at 115.675,127.55 h1
Bottom Overlay:
  drawing of 14 lines, arcs and shapes, not listed
  text "GND" at 118.9,206.35 h1
  text "GND" at 122.553,206.35 h1
  text "+5V" at 118.9,204.111 h1
  text "+5V" at 122.553,204.111 h1
  text "GND" at 118.9,201.872 h1
  text "GND" at 122.553,201.872 h1
  text "+12V" at 118.9,199.633 h1
  text "+12V" at 123.386,199.633 h1
  text "CAN_H" at 118.9,197.394 h1
  text "MIBSPI3_MISO" at 131.05,197.394 h1
  text "CAN_L" at 118.9,195.156 h1
  text "MIBSPI3_MOSI" at 130.883,195.156 h1
  text "SCL" at 118.9,192.933 h1
  text "MIBSPI3_SCK" at 130.217,192.767 h1
  text "SDA" at 118.9,190.678 h1
  text "MIBSPI3_CS0" at 130.175,190.511 h1
  text "GIOA2" at 124.425,188.575 h1
  text "AD1_18" at 118.9,188.439 h1
  text "AD1_7" at 118.9,186.2 h1
  text "AD1_0" at 124.385,186.2 h1
  text "+12V" at 65.4,172.38 h1
  text "K1+" at 70.043,172.355 h1
  text "MIBSPI3" at 144.125,172.05 h1
  text "GND" at 65.4,169.84 h1
  text "K1-" at 70.043,169.85 h1
  text "MISO" at 140.374,169.425 h1
  text "I2C" at 135.399,169.25 h1
  text "CAN" at 146.525,169.15 h1
  text "+5V" at 65.4,167.3 h1
  text "K2+" at 70.043,167.275 h1
  text "MOSI" at 140.374,166.875 h1
  text "SCL" at 133.566,166.84 h1
  text "GND" at 149.651,166.825 h1
  text "GND" at 65.4,164.76 h1
  text "K2-" at 70.043,164.735 h1
  text "CAN_H" at 151.65,164.375 h1
  text "SCK" at 140.374,164.335 h1
  text "SDA" at 133.566,164.3 h1
  text "HET1_20" at 65.4,162.337 h0.7
  text "K3+" at 70.043,162.195 h1
  text "CAN_L" at 151.65,161.825 h1
  text "CS" at 140.374,161.8 h1
  text "GND" at 133.566,161.76 h1
  text "MIBSPI1" at 88.175,161.75 h1
  text "K3-" at 70.043,159.655 h1
  text "CAN_L" at 65.4,159.597 h1
  text "CS" at 88.466,159.24 h1
  text "DAC" at 70.043,157.115 h1
  text "CAN_H" at 65.4,157.057 h1
  text "CLK" at 89.466,156.7 h1
  text "TX" at 65.4,154.6 h1
  text "AD1_19" at 72.875,154.492 h1
  text "MOSI" at 90.132,154.16 h1
  text "+5V" at 140.116,152.69 h1
  text "+5V" at 149.066,152.675 h1
  text "RX" at 65.4,152.06 h1
  text "AD1_20" at 72.875,151.952 h1
  text "MISO" at 90.299,151.62 h1
  text "+3V3" at 140.116,150.15 h1
  text "+3V3" at 150.065,150.15 h1
  text "GND" at 65.4,149.52 h1
  text "AD1_21" at 72.875,149.412 h1
  text "GND" at 89.466,149.1 h1
  text "HET1_9" at 140.116,147.75 h1
  text "HET1_4" at 151.898,147.693 h1
  text "HET1_25" at 140.116,145.153 h1
  text "HET1_7" at 151.898,145.153 h1
  text "HET1_5" at 140.116,142.65 h1
  text "BMS / UART" at 62.7,142.6 h1
  text "GND" at 149.066,142.53 h1
  text "RX" at 58.675,140.94 h1
  text "GND" at 140.116,140.1 h1
  text "GND" at 149.066,139.99 h1
  text "TX" at 58.675,138.4 h1
  text "GND" at 140.116,137.5 h1
  text "GND" at 149.066,137.425 h1
  text "GND" at 59.675,135.86 h1
  text "GND" at 140.116,134.96 h1
  text "GND" at 149.066,134.9 h1
Board Outline:
  lines w0.1: 52.4,127.558 ccw(c54.958,127.558) 54.958,125 149.842,125 ccw(c149.842,127.558) 152.4,127.558 152.4,222 152.4,222.461 ccw(c149.861,222.461) 149.861,225 55.4,225 54.958,225 ccw(c54.958,222.442) 52.4,222.442 52.4,129.1 52.4,127.558

## Dimensions
52.4,222.442 to 152.4,222.461 on Top Overlay
55.4,225 to 54.958,125 on Top Overlay
152.4,222 to 158,212.225 on Top Overlay
157.867,212.426 to 157.917,204.076 on Top Overlay
52.4,222.442 to 25.125,178.275 on Top Overlay
26.425,178.65 to 26.375,144.55 on Top Overlay